# Altium PCB Quark.PcbDoc (part 4 of 4)
Units mm, origin at the board's own origin, x right, y up, seen from the top; angles counter-clockwise.
Board outline 22.28 x 31.66 mm, 6 copper layers (Top1, Signal2, Power4, Gnd3, Signal5, Bottom6), stack 0.861 mm thick; 123 components, 164 nets, 919 pads, 389 vias.
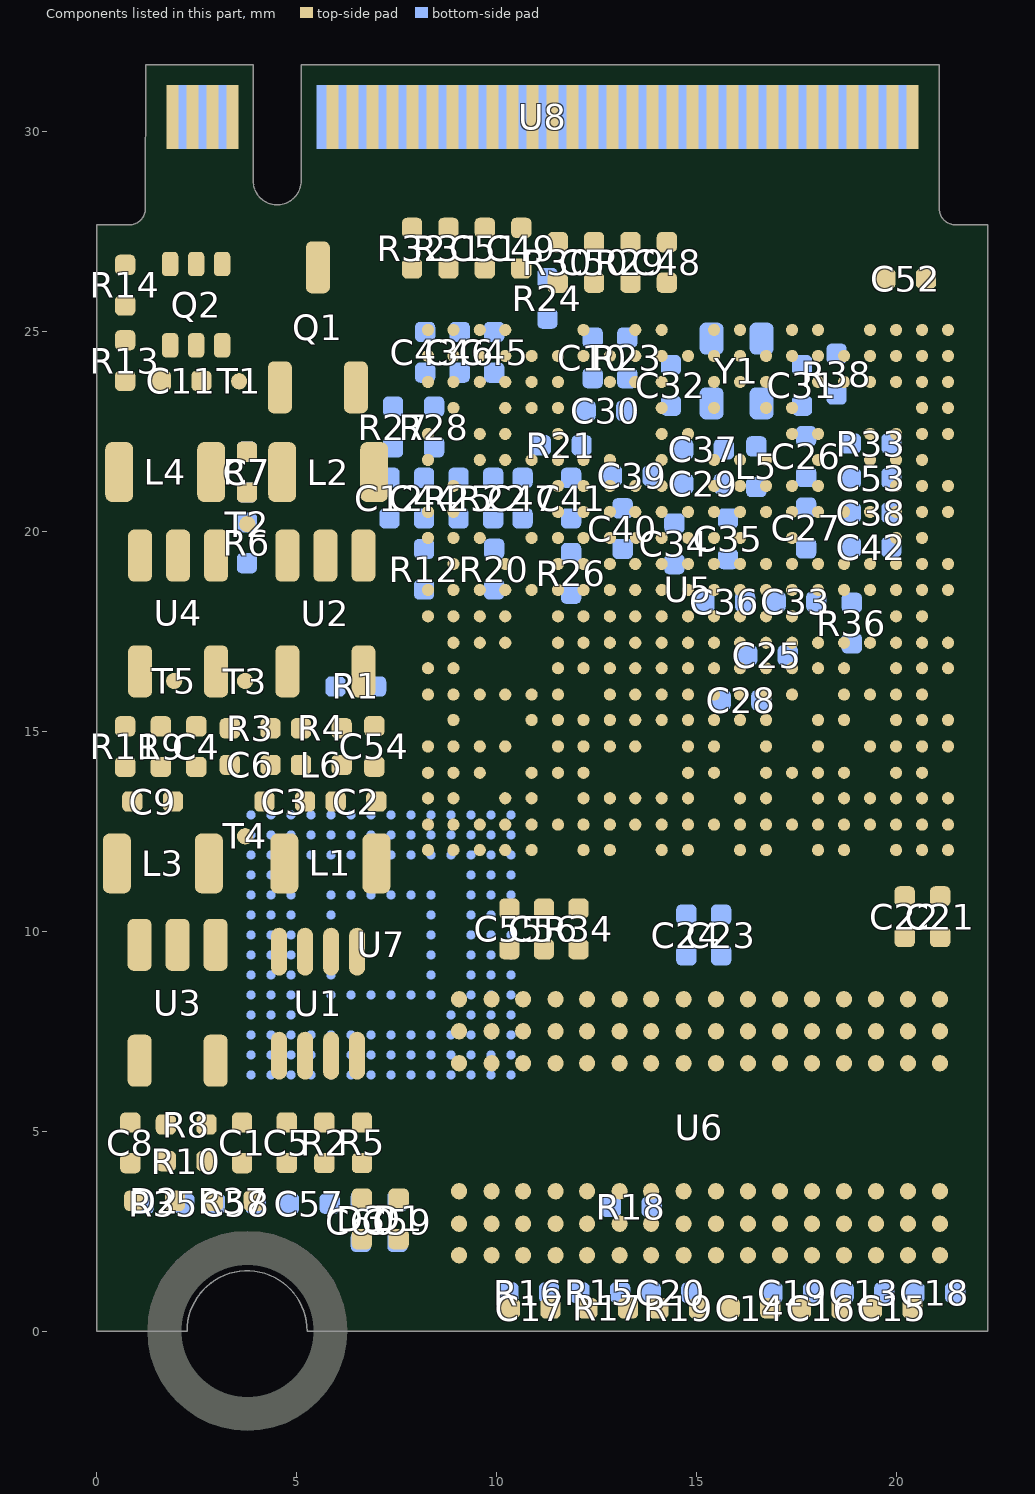
[diagram p8: the components of this part, seen from the top]

## Silkscreen, mask and mechanical layers (free items; w line width, h text height) (continued)
Bottom Overlay:
  text "V1.0.0" at 20.726,2.261 h1.52
Mechanical 1:
  the board outline again, w0.013
Mechanical 4:
  circle w0.006: c0,0 r0.003
  circle w0.006: c22.272,0 r0.003
Mechanical 7:
  drawing of 2221 lines, arcs and shapes, not listed
Mechanical 13:
  drawing of 7373 lines, arcs and shapes, not listed